# Altium PCB DAC_Sources.PcbDoc (part 2 of 9) (continued)
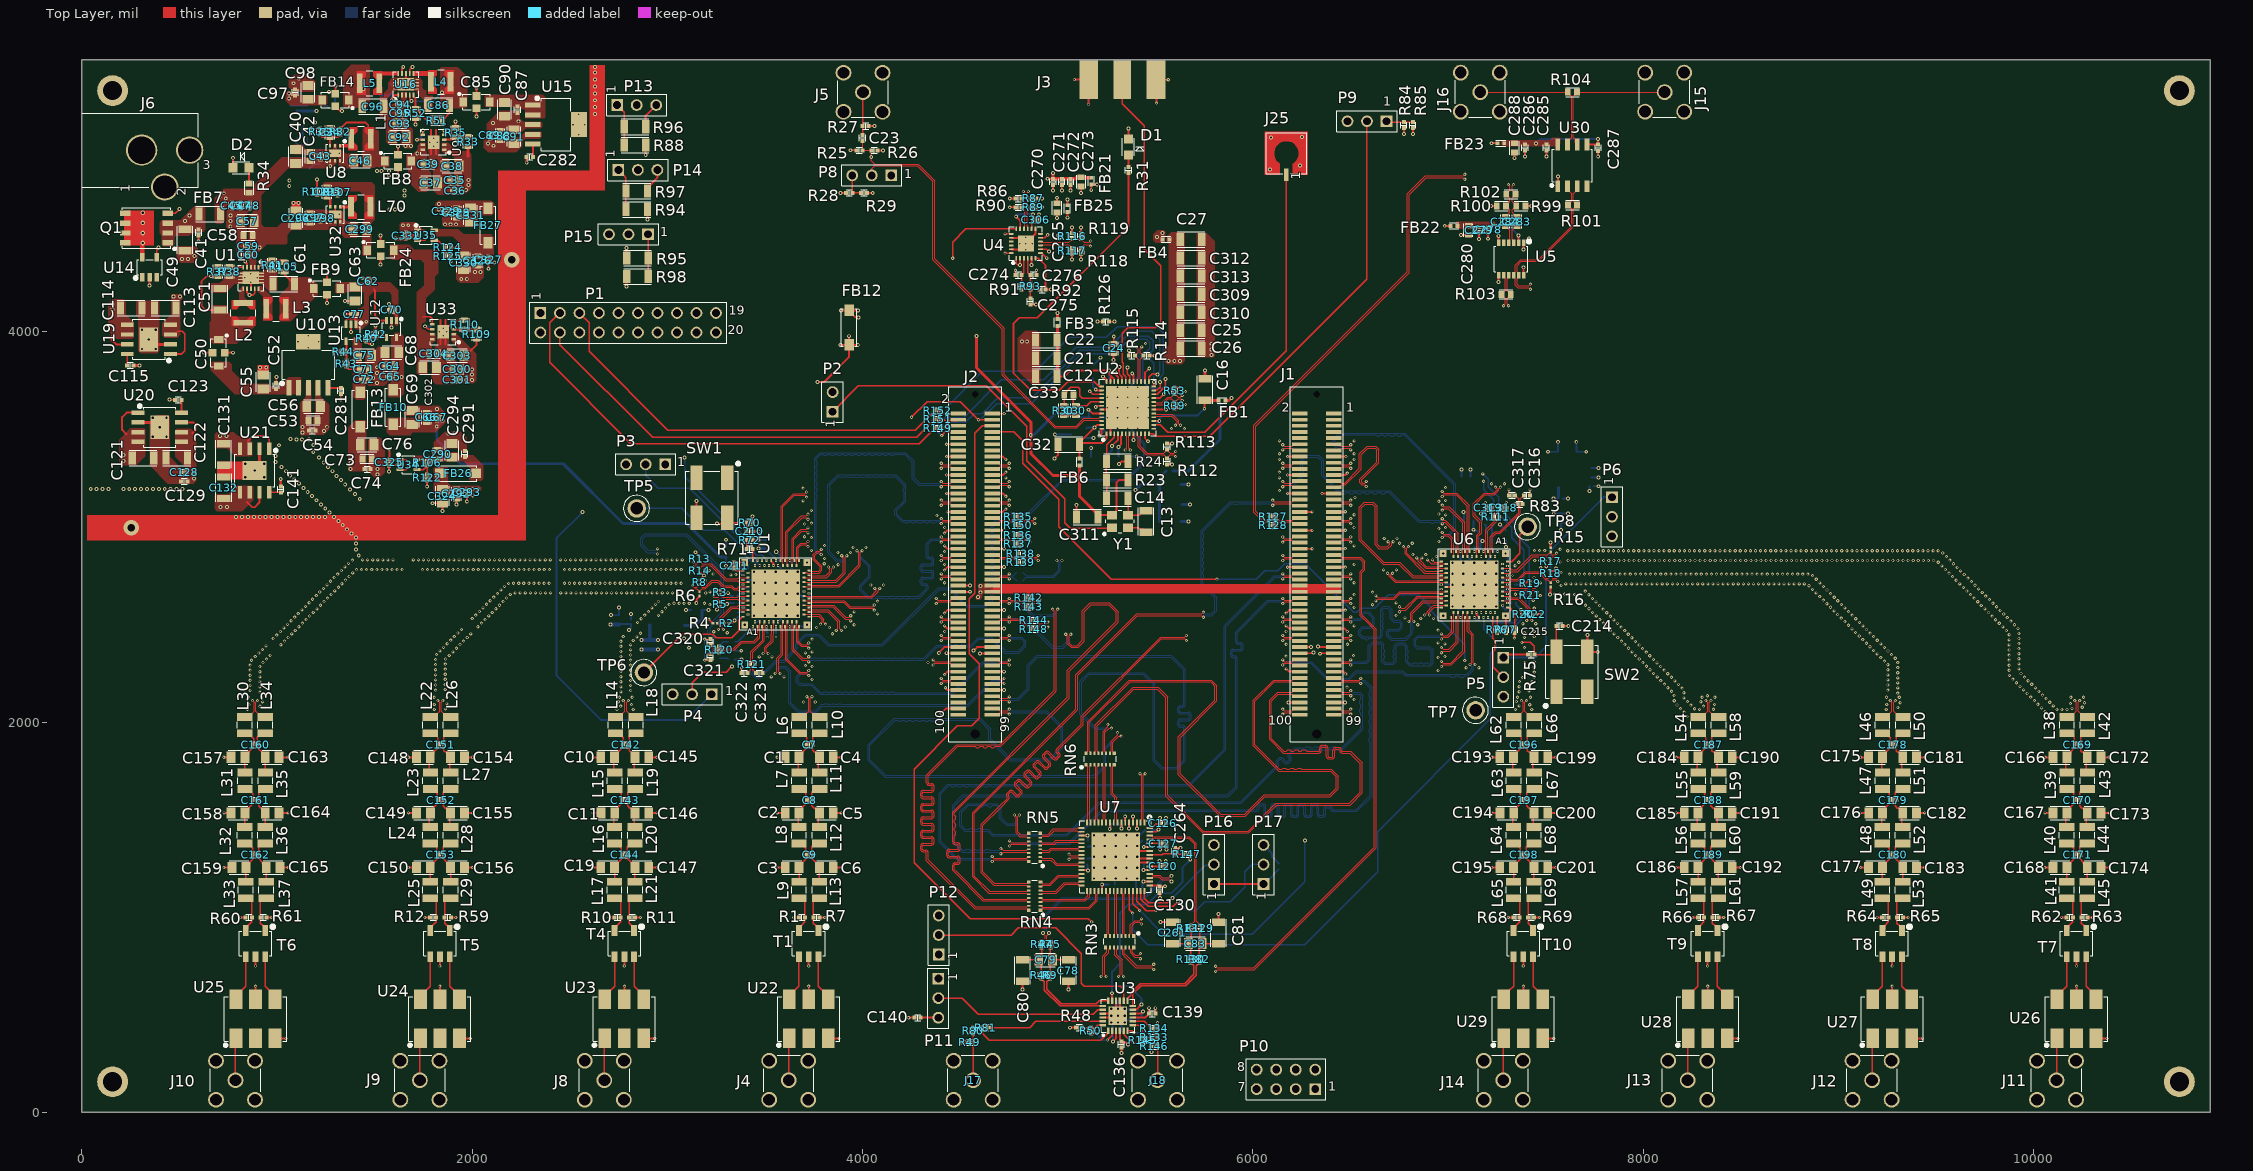
[diagram p0: Top Layer view]
## Footprints (in the part's own frame and the unit in brackets; to place one, negate y for a bottom-side part, rotate by r counter-clockwise, add the part's x,y. Pads: shape width x height; smd on the part's side, far side on the other; paste and mask are expansions set on the pad) (continued)
  rect 0.4x0.25 smd mask+0.051: A12(-4.3,3) A13(-4.3,2.4) A14(-4.3,1.8) A15(-4.3,1.2) A16(-4.3,0.6) A17(-4.3,0) A18(-4.3,-0.6) A19(-4.3,-1.2) A20(-4.3,-1.8) A21(-4.3,-2.4) A22(-4.3,-3) A34(4.3,-3) A35(4.3,-2.4) A36(4.3,-1.8) A37(4.3,-1.2) A38(4.3,-0.6) A39(4.3,0) A40(4.3,0.6) A41(4.3,1.2) A42(4.3,1.8) A43(4.3,2.4) A44(4.3,3) B11(-3.65,2.7) B12(-3.65,2.1) B13(-3.65,1.5) B14(-3.65,0.9) B15(-3.65,0.3) B16(-3.65,-0.3) B17(-3.65,-0.9) B18(-3.65,-1.5) B19(-3.65,-2.1) B20(-3.65,-2.7) B31(3.65,-2.7) B32(3.65,-2.1) B33(3.65,-1.5) B34(3.65,-0.9) B35(3.65,-0.3) B36(3.65,0.3) B37(3.65,0.9) B38(3.65,1.5) B39(3.65,2.1) B40(3.65,2.7)
  rect 0.9x0.9 smd mask+0.051: C1(4.05,4.05) C2(-4.05,4.05) C3(-4.05,-4.05) C4(4.05,-4.05)
  rect 1.7x1.7 on Top Paste mask+0.051: C5(-2,2) C5(-2,0) C5(-2,-2) C5(0,2) C5(0,0) C5(0,-2) C5(2,2) C5(2,0) C5(2,-2)
  rect 6.3x6.3 smd paste-2539.97 mask+0.051: C5(0,0)
  silkscreen extent -4.7,-4.7 4.7,4.7, body extent -4.5,-4.5 4.5,4.5, height 0.9

## Part data
C1 C2 C3 C4 C5 C6 C10 C11 C19 C145 C146 C147 C148 C149 C150 C154 C155 C156 C157 C158 C159 C163 C164 C165 C166 C167 C168 C172 C173 C174 C175 C176 C177 C181 C182 C183 C184 C185 C186 C190 C191 C192 C193 C194 C195 C199 C200 C201: library part b4654b650e69147ec39a6b967a45e02, "CAP CER 11PF 50V 5% NP0 0805", Capacitance="11 pF", Manufacturer=KEMET, Manufacturer Part Number=C0805C110J5GACTU, Package=C0805C-DN, Temperature="-55°C to +125°C", Temperature Characteristic=C0G, Temperature Coefficient=30ppm/°C, Temperature Range High=+125°C, Temperature Range Low=-55°C, Tolerance=0.05, Voltage Rating="50 V", Automotive=No, Category=Cap, ComponentLink2Description=Datasheet, ComponentLink2URL=https://content.kemet.com/datasheets/KEM_C1003_C0G_SMD.pdf, Device Class L1="Passive Components", Device Class L2=Capacitors, Device Class L3="Ceramic Capacitors", Digikey Description="CAP CER 11PF 50V 5% NP0 0805", Height=0.88mm, Ipc Land Pattern Name=CAPC200125X78, Lead Free=Yes, Material=Ceramic, Mouser Description="Multilayer Ceramic Capacitors MLCC - SMD/SMT 50volts 11pF C0G 5%", Octopart=https://octopart.com/c0805c110j5gactu-kemet-15514269, RoHS=TRUE
C7 C8 C9 C142 C143 C144 C151 C152 C153 C160 C161 C162 C169 C170 C171 C178 C179 C180 C187 C188 C189 C196 C197 C198: library part 02cd4be3c70576c341d710602a673aa, "Multi-Layer Ceramic Capacitor 3.3pF C0G  ±0.25pF 0402 Paper T/R", Capacitance=3.3pF, Case Code (Imperial)=0402, Case Code (Metric)=1005, Dielectric=C0G, Max Operating Temperature=125°C, Min Operating Temperature=-55°C, Package Quantity=1, Voltage=50V, Case/Package=0402, Depth=0.5mm, Height=0.5mm, Lead Free="Lead Free", Length=1mm, Mount="Surface Mount", Packaging="Tape and Reel", Radiation Hardening=No, Termination=SMD/SMT, Thickness=0.022inch, Voltage Rating=50V, Voltage Rating (DC)=50V, Width=0.5mm
C12 C14 C16 C18 C21 C22 C25 C26 C27 C29 C32 C309 C310 C311 C312 C313 C314 C315: library part b4654b650e69147ec39a6b967a45e02, "Cap Ceramic 10nF 630V X7R ±10% SMD 1206 +125°C Embossed T/R", Capacitance=10nF, Case Code (Imperial)=1206, Case Code (Metric)=3216, Dielectric=X7R, Max Operating Temperature=125°C, Min Operating Temperature=-55°C, Package Quantity=1, Tolerance=10%, Voltage=630V, Case/Package=1206, Depth=1.6mm, Height=1.25mm, Lead Free="Lead Free", Length=3.2mm, Material=Ceramic, Mount="Surface Mount", Packaging="Tape and Reel", Radiation Hardening=No, Thickness=0.055inch, Voltage Rating=630V, Voltage Rating (DC)=630V, Width=0.063inch
C13 C78 C80 C81 C261: library part b4654b650e69147ec39a6b967a45e02, "1206 C 15pF Ceramic Multilayer Capacitor; 50 VDC; +125degC; C0G Dielec; +/-5%", Capacitance="15 pF", Manufacturer=KEMET, Package=C1206C-EB, Temperature="-55°C to +150°C", Temperature Characteristic=C0G, Temperature Coefficient=15%, Temperature Range High=+150°C, Temperature Range Low=-55°C, Tolerance=0.05, Voltage Rating="50 V", Automotive=Yes, Automotive Grade="Grade 0", Category=Cap, ComponentLink2Description=Datasheet, ComponentLink2URL=https://content.kemet.com/datasheets/KEM_C1007_X8R_ULTRA_150C_SMD.pdf, Device Class L1="Passive Components", Device Class L2=Capacitors, Device Class L3="Ceramic Capacitors", Digikey Description="1206 C 15pF Ceramic Multilayer Capacitor; 50 VDC; +125degC; C0G Dielec; +/-5%", Height=0.88mm, Ipc Land Pattern Name=CAPC320160X78, Lead Free=Yes, Manufacturer Part Number=C1206C150J5GACTU, Material=Ceramic, Mouser Description="Multilayer Ceramic Capacitors MLCC - SMD/SMT 50volts 15pF C0G 5%", Octopart=https://octopart.com/c1206c150j5gactu-kemet-138585, RoHS=TRUE
C15 C17 C20 C24 C28 C30 C31: library part b4654b650e69147ec39a6b967a45e02, "Cap Ceramic 4.7uF 10V X5R ±10% Pad SMD 0603 +85°C T/R", Capacitance=4.7uF, Case Code (Imperial)=0603, Case Code (Metric)=1608, Dielectric=X5R, Max Operating Temperature=85°C, Min Operating Temperature=-55°C, Package Quantity=1, Tolerance=10%, Voltage Rating=10V, Case/Package=0603, Contact Plating=Tin, Depth=0.8mm, Height=0.8mm, Length=1.6mm, Mount="Surface Mount", Packaging="Tape and Reel", Radiation Hardening=No, Thickness=0.035inch, Width=0.031inch
C23 C210 C213 C214 C217: library part b4654b650e69147ec39a6b967a45e02, "Multilayer Ceramic Capacitors 1nF ±10% 25V X7R SMD 0402", Capacitance=1nF, Case Code (Imperial)=0402, Case Code (Metric)=1005, Dielectric=X7R, Dielectric Material=Ceramic, Insulation Resistance=10GR, Max Operating Temperature=125°C, Min Operating Temperature=-55°C, Package Quantity=1, Tolerance=10%, Voltage Rating=25V, Case/Package=0402, Depth=0.5mm, Dissipation Factor=3%, Height=0.5mm, Lead Free="Lead Free", Length=0.039inch, Mount="Surface Mount", Number of Pins=2, Packaging="Tape and Reel", REACH SVHC="No SVHC", Resistor Type=Ceramic, RoHS Compliant=Yes, Series=C, Termination=SMD/SMT, Thickness=0.022inch, Voltage Rating (DC)=25V, Weight=2.3E-05oz, Width=0.02inch
C33: library part 02cd4be3c70576c341d710602a673aa, "Ceramic Capacitor for Automotive 270nF  ±10% 16VDC X7R 0603 Paper T/R", Capacitance=270nF, Case/Package=0603, Dielectric=X7R, Tolerance=10%, Voltage Rating (DC)=16V
C34 C295: library part b4654b650e69147ec39a6b967a45e02, "Cap Ceramic 22pF 50V C0G 5% SMD 0603 125°C Paper T/R", Capacitance="22 pF", Manufacturer=KEMET, Package=C0603C-CF, Temperature="-55°C to +125°C", Temperature Characteristic=C0G, Temperature Coefficient=30ppm/°C, Temperature Range High=+125°C, Temperature Range Low=-55°C, Tolerance=0.05, Voltage Rating="50 V", Automotive=Yes, Automotive Grade="Grade 1", Category=Cap, ComponentLink2Description=Datasheet, ComponentLink2URL=https://api.kemet.com/component-edge/download/datasheet/C0603C100J5GACAUTO.pdf, Device Class L1="Passive Components", Device Class L2=Capacitors, Device Class L3="Ceramic Capacitors", Digikey Description="Cap Ceramic 22pF 50V C0G 5% SMD 0603 125°C Paper T/R", Height=0.87mm, Lead Free=Yes, Manufacturer Part Number=C0603C220J5GACTU, Material=Ceramic, Mouser Description="Cap Ceramic 22pF 50V C0G 5% SMD 0603 125°C Paper T/R", Octopart=https://octopart.com/c0603c220j5gactu-kemet-98525, RoHS=TRUE
C35 C39 C42 C53 C58 C64 C66 C71 C73 C88 C93 C99 C101 C106 C108 C290 C292 C297 C300 C304 C326 C328: library part 236180d848d6139a670b325ea6854c9, "Multilayer Ceramic Capacitors 1μF ±10% 16V X7R SMD 0603", Capacitance=1uF, Case Code (Imperial)=0603, Case Code (Metric)=1608, Dielectric=X7R, Dielectric Material=Ceramic, Max Operating Temperature=125°C, Min Operating Temperature=-55°C, Package Quantity=1, Tolerance=10%, Voltage=16V, Case/Package=0603, Construction=Flat, Depth=0.8mm, Height=0.8mm, Lead Free="Lead Free", Length=1.6mm, Mount="Surface Mount", Packaging="Tape and Reel", Radiation Hardening=No, REACH SVHC="No SVHC", Resistor Type=Ceramic, RoHS Compliant=Yes, Series=C, Termination=SMD/SMT, Thickness=0.037inch, Voltage Rating=16V, Voltage Rating (DC)=16V, Weight=7.1E-05oz, Width=0.031inch
C36 C48 C54 C59 C62 C65 C67 C72 C74 C89 C94 C97 C100 C102 C107 C109 C115 C123 C141 C270 C271 C272 C274 C275 C276 C277 C278 C279 C281 C282 C285 C286 C287 C291 C293 C301 C306 C316 C317 C318 C319 C320 C321 C322 C323 C327 C329: library part b4654b650e69147ec39a6b967a45e02, "Multilayer Ceramic Capacitors 10nF ±10% 25V X7R SMD 0402", Capacitance=10nF, Case Code (Imperial)=0402, Case Code (Metric)=1005, Dielectric=X7R, Dielectric Material=Ceramic, Max Operating Temperature=125°C, Min Operating Temperature=-55°C, Package Quantity=1, Tolerance=10%, Voltage=25V, Case/Package=0402, Depth=0.5mm, Height=0.5mm, Lead Free="Lead Free", Length=1mm, Mount="Surface Mount", Number of Pins=2, Packaging="Tape and Reel", Radiation Hardening=No, REACH SVHC="No SVHC", Resistor Type=Ceramic, RoHS Compliant=Yes, Series=C, Termination=SMD/SMT, Thickness=0.022inch, Voltage Rating=25V, Voltage Rating (DC)=25V, Weight=2.3E-05oz, Width=0.02inch
C37 C38 C40 C46 C55 C56 C57 C63 C68 C69 C75 C76 C90 C91 C92 C98 C103 C104 C110 C111 C294 C296 C299 C302 C303 C324 C330 C331: library part CAP, Manufacturer=Murata, Part Number=GRM21BR71A106KE51L
C41 C43 C44 C47 C60 C95 C116 C117 C118 C119 C120 C124 C125 C126 C127 C128 C129 C130 C133 C134 C135 C136 C137 C138 C139 C140 C211 C212 C215 C216 C260 C263 C264 C298 C305: library part b4654b650e69147ec39a6b967a45e02, "Multilayer Ceramic Capacitors 100nF ±10% 16V X7R SMD 0402", Capacitance=100nF, Case Code (Imperial)=0402, Case Code (Metric)=1005, Dielectric=X7R, Dielectric Material=Ceramic, Max Operating Temperature=125°C, Min Operating Temperature=-55°C, Package Quantity=1, Tolerance=10%, Voltage=16V, Case/Package=0402, Construction=Flat, Depth=0.5mm, Height=0.5mm, Lead Free="Lead Free", Length=1mm, Mount="Surface Mount", Number of Pins=2, Packaging="Tape and Reel", Radiation Hardening=No, Resistor Type=Ceramic, RoHS Compliant=Yes, Series=C, Termination=SMD/SMT, Thickness=0.022inch, Voltage Rating=16V, Voltage Rating (DC)=16V, Weight=2.3E-05oz, Width=0.02inch
C45: library part CAP-NP-2, "Chip Capacitor, 1 uF, +/- 10%, 16 V, -55 to 85 degC, 0402 (1005 Metric), RoHS, Tape and Reel", Capacitance=1µF, Manufacturer=TDK, Operating Temperature=-55degC~85degC, Package / Case=0402(1005Metric), Package Description="2-Pin Surface Mount Device, Body 1 x 0.5 mm", Package Reference=402, PCN Part Number=MLCCPartNumberChange30/Nov/2012, Ratings=-, Standard Package=1, Temperature Coefficient=X5R, Tolerance=±10%, Voltage - Rated=16V, Applications=GeneralPurpose, Category=Capacitors, Datasheet URL=https://datasheet.ciiva.com/14482/1756136-14482760.pdf, Datasheet Version=Oct-13, Family=CeramicCapacitors, Features=-, Height - Seated (Max)=-, Lead Spacing=-, Lead Style=-, Manufacturer URL=http://www.tdk.com/, Mounting Type=SurfaceMount,MLCC, Online Catalog=CSeries,GeneralPurpose, Other Names=445-4978-6, Packaging=Digi-Reel, Product Training Modules=CSeriesGeneralApplicationsSEAT,CCV,andTVCLDesignToolsGuidetoReplacinganElectrolyticCapacitorwithanMLCC, RoHS Information=RoHSCertificate-MLCC, Series=C, Size / Dimension="0.039\"Lx0.020\"W(1.00mmx0.50mm)", Thickness (Max)="0.022\"(0.55mm)"
C49: library part 02cd4be3c70576c341d710602a673aa, "Chip Multilayer Ceramic Capacitors for General Purpose, 1206, 47uF, X5R, 15%, 20%, 10V", Capacitance=47uF, Case Code (Imperial)=1206, Case Code (Metric)=3216, Dielectric=X5R, Max Operating Temperature=85°C, Min Operating Temperature=-55°C, Package Quantity=2000, Tolerance=20%, Voltage=10V, Case/Package=1206, Depth=1.6mm, Height=1.6mm, Lead Free="Lead Free", Length=3.2mm, Mount="Surface Mount", Number of Pins=2, Packaging="Tape and Reel", Radiation Hardening=No, REACH SVHC="No SVHC", Termination=SMD/SMT, Thickness=0.071inch, Voltage Rating=10V, Voltage Rating (DC)=10V, Width=1.6mm
C50 C85 FB8 FB9 FB14 FB24: library part 968ca41a07abfef6fd4f7114a56c54f, "Large Current 3 Terminals Low ESL Chip Multilayer Ceramic Capacitors for General Purpose, 1206, 27uF, 20%, 6.3V", Capacitance=27uF, Case Code (Imperial)=1206, Case Code (Metric)=3216, Current=6A, DC Resistance (DCR)=5mR, Insulation Resistance=20MR, Max Operating Temperature=85°C, Max Voltage Rating (DC)=6.3V, Min Operating Temperature=-40°C, Package Quantity=1, Tolerance=20%, Case/Package=1206, Current Rating=6A, Depth=1.6mm, Height=1.3mm, Lead Free="Lead Free", Length=3.2mm, Max Current Rating=6A, Mount="Surface Mount", Packaging="Tape and Reel", Radiation Hardening=No, REACH SVHC="No SVHC", Termination=Flat, Voltage=6.3V, Voltage Rating (DC)=6.3V, Width=1.6mm
C51 C61 C86 C96: library part b4654b650e69147ec39a6b967a45e02, "Cap Ceramic 22uF 16V X5R ±20% SMD 1206 +85°C Embossed T/R", Capacitance=22uF, Case Code (Imperial)=1206, Case Code (Metric)=3216, Dielectric=X5R, Max Operating Temperature=85°C, Min Operating Temperature=-55°C, Package Quantity=1, Tolerance=20%, Voltage=16V, Case/Package=1206, Depth=1.6mm, Height=0.85mm, Lead Free="Lead Free", Length=3.2mm, Mount="Surface Mount", Packaging="Tape and Reel", Radiation Hardening=No, Thickness=0.037inch, Voltage Rating=16V, Width=0.063inch
C52 C70 C77 C87 C105 C112 C325 C332: library part b4654b650e69147ec39a6b967a45e02, "None", Capacitance=2.2uF, Case Code (Imperial)=0402, Case Code (Metric)=1005, Max Operating Temperature=85°C, Min Operating Temperature=-55°C, Tolerance=10%, Voltage Rating=10V, Case/Package=0402, Lead Free="Lead Free", Mount="Surface Mount", Packaging="Cut Tape", RoHS Compliant=Yes
C79 C83: library part 11868f565c42a9108669ba33697ecf6, "CAP CER 5PF 100V NP0 0805", Capacitance="5.0 pF", Manufacturer=KEMET, Package=CBR08C, Temperature="-55°C to +125°C", Temperature Characteristic=C0G, Temperature Coefficient=30ppm/°C, Temperature Range High=+125°C, Temperature Range Low=-55°C, Tolerance="0.05 pF", Voltage Rating="100 V", Automotive=No, Category=Cap, ComponentLink2Description=Datasheet, ComponentLink2URL=https://content.kemet.com/datasheets/KEM_C1030_CBR_SMD.pdf, Device Class L1="Passive Components", Device Class L2=Capacitors, Device Class L3="Ceramic Capacitors", Digikey Description="CAP CER 5PF 100V NP0 0805", Height=0.95mm, Ipc Land Pattern Name=CAPC200125X85, Lead Free=Yes, Manufacturer Part Number=CBR08C509A1GAC, Material=Ceramic, Mouser Description="Multilayer Ceramic Capacitors MLCC - SMD/SMT 5pF 100volts", Octopart=https://octopart.com/cbr08c509a1gac-kemet-23801983, RoHS=TRUE
C113 C114 C121 C122 C131 C132: library part b4654b650e69147ec39a6b967a45e02, "Cap Ceramic 4.7uF 10V X7R ±10% SMD 1206 +125°C Embossed T/R", Capacitance=4.7uF, Case Code (Imperial)=1206, Case Code (Metric)=3216, Dielectric=X7R, Max Operating Temperature=125°C, Min Operating Temperature=-55°C, Package Quantity=1, Tolerance=10%, Voltage=10V, Case/Package=1206, Contact Plating=Tin, Depth=1.6mm, Height=1.6mm, Lead Free="Lead Free", Length=3.2mm, Material=Ceramic, Mount="Surface Mount", Packaging="Tape and Reel", Radiation Hardening=No, Thickness=0.071inch, Voltage Rating=10V, Voltage Rating (DC)=10V, Width=0.063inch
C202 C203 C204 C206 C207 C208 C219 C220 C221 C222 C223 C224 C225 C227 C228 C229 C230 C232 C233 C234 C236 C237 C240 C241 C242 C243 C244 C245 C246 C248 C249 C250 C251 C253 C254 C255 C257 C258: library part b4654b650e69147ec39a6b967a45e02, "None", Capacitance=220nF, Case Code (Imperial)=0201, Case Code (Metric)=0603, Dielectric=X5R, Max Operating Temperature=85°C, Min Operating Temperature=-55°C, Package Quantity=15000, Resistor Type=Ceramic, Tolerance=20%, Voltage=10V, Case/Package=0201, Construction=Flat, Depth=0.3mm, Halogen Free="Halogen Free", Height=0.3mm, Length=0.6mm, Mount="Surface Mount", Packaging="Tape and Reel", Radiation Hardening=No, RoHS Compliant=Yes, Series=M, Termination=SMD/SMT, Thickness=0.013inch, Voltage Rating=10V, Voltage Rating (DC)=10V, Width=0.012inch
C205 C209 C226 C231 C235 C238 C247 C252 C256 C259: library part b4654b650e69147ec39a6b967a45e02, "CAP CER 10UF 10V X5R 0603", Capacitance=10uF, Case Code (Imperial)=0603, Case Code (Metric)=1608, Dielectric=X5R, Max Operating Temperature=85°C, Min Operating Temperature=-55°C, Package Quantity=4000, Resistor Type=Ceramic, Tolerance=20%, Voltage Rating=10V, Case/Package=0603, Construction=Flat, Height=0.8mm, Lead Free="Lead Free", Length=1.6mm, Mount="Surface Mount", Number of Pins=2, Packaging="Tape and Reel", REACH SVHC="No SVHC", RoHS Compliant=Yes, Series=M, Termination=SMD/SMT, Thickness=0.035inch, Voltage Rating (DC)=10V, Width=0.031inch
C218 C239: library part b4654b650e69147ec39a6b967a45e02, "None", Capacitance=100nF, Case Code (Imperial)=0201, Case Code (Metric)=0603, Dielectric=X5R, Max Operating Temperature=85°C, Min Operating Temperature=-55°C, Package Quantity=15000, Resistor Type=Ceramic, Tolerance=10%, Voltage Rating=10V, Case/Package=0201, Construction=Flat, Contact Plating=Tin, Depth=0.3mm, Halogen Free="Halogen Free", Height=0.3mm, Lead Free="Lead Free", Length=0.6mm, Mount="Surface Mount", Number of Pins=2, Packaging="Tape and Reel", Radiation Hardening=No, RoHS Compliant=Yes, Series=M, Termination=SMD/SMT, Thickness=0.013inch, Voltage Rating (DC)=10V, Width=0.3mm
C265 C273 C280 C288: library part b4654b650e69147ec39a6b967a45e02, "CAP CER 4.7UF 10V X5R 0603", Capacitance=4.7uF, Case Code (Imperial)=0603, Case Code (Metric)=1608, Dielectric=X5R, Max Operating Temperature=85°C, Min Operating Temperature=-55°C, Package Quantity=1, Tolerance=10%, Voltage Rating=10V, Case/Package=0603, Depth=0.8mm, Height=0.55mm, Lead Free="Lead Free", Length=1.6mm, Mount="Surface Mount", Packaging="Tape and Reel", RoHS Compliant=Yes, Series=CGB, Termination=SMD/SMT, Thickness=0.022inch, Voltage Rating (DC)=10V, Weight=7.1E-05oz, Width=0.031inch
C267 C268: library part CAP-NP-2, "CAP, Ceramic, 10 uF, 10%, 10 V, 0805, RoHS, Tape and Reel", Capacitance=10µF, Manufacturer=Murata, Operating Temperature=-55degC~85degC, Package / Case=0805(2012Metric), Package Description="2-Pin Surface Mount Device (0805), Body 2.1 x 1.35 mm", Package Reference=805, Ratings=-, Standard Package=1, Temperature Coefficient=X5R, Tolerance=±10%, Voltage - Rated=10V, Applications=GeneralPurpose, Catalog Drawings=GRMSeries_0805_1.25, Category=Capacitors, Datasheet URL=https://datasheet.ciiva.com/3777/210grm21br61a106ke1923-3777175.pdf, Datasheet Version=Aug-14, Family=CeramicCapacitors, Featured Product=GA3SafetyRecognizedCapsandHi-CapMLCC, Features=-, Height - Seated (Max)=-, Lead Spacing=-, Lead Style=-, Manufacturer URL=http://www.murata.com/, Mounting Type=SurfaceMount,MLCC, Online Catalog=GRMSeries, Other Names=490-1709-6, Packaging=Digi-Reel, Product Training Modules=High-CapMultilayerCeramicCapacitors, Series=GRM, Size / Dimension="0.079\"Lx0.049\"W(2.00mmx1.25mm)", Thickness (Max)="0.053\"(1.35mm)"
C269: library part 02cd4be3c70576c341d710602a673aa, "CAP CER 1UF 10V X5R 0402", Capacitance=1uF, Manufacturer=Murata, Package=GRM15-0.1, Temperature="-55°C to +85°C", Temperature Characteristic=X5R, Temperature Coefficient=15%, Temperature Range High=+85°C, Temperature Range Low=-55°C, Tolerance=10%, Voltage Rating=10V, Automotive=No, Category=Cap, ComponentLink2Description=Datasheet, ComponentLink2URL=https://search.murata.co.jp/Ceramy/image/img/A01X/G101/ENG/GRM155R61A105KE15-01A.pdf, Device Class L1="Passive Components", Device Class L2=Capacitors, Device Class L3="Ceramic Capacitors", Digikey Description="CAP CER 1UF 10V X5R 0402", Height=0.55mm, Ipc Land Pattern Name=CAPC10050X50, Lead Free=Yes, Manufacturer Part Number=GRM155R61A105KE15D, Material=Ceramic, Mouser Description="0402 1 uF 10 V ±10% Tolerance X5R Surface Mount Multilayer Ceramic Capacitor", Octopart=https://octopart.com/grm155r61a105ke15d-murata-197442, RoHS=TRUE
C283 C284: library part 11868f565c42a9108669ba33697ecf6, "CAP CER 10000PF 50V X7R 0603", Capacitance="10 nF", Manufacturer=YAGEO, Package=CC0603-DA, Temperature="-55°C to +125°C", Temperature Characteristic=X7R, Temperature Coefficient=15%, Temperature Range High=+125°C, Temperature Range Low=-55°C, Tolerance=0.1, Voltage="50 V", Automotive=No, Category=Cap, ComponentLink2Description=Datasheet, ComponentLink2URL=http://www.yageo.com/documents/recent/UPY-GPHC_X7R_6.3V-to-50V_18.pdf, Device Class L1="Passive Components", Device Class L2=Capacitors, Device Class L3="Ceramic Capacitors", Digikey Description="CAP CER 10000PF 50V X7R 0603", Footprint Url=http://www.yageo.com/exep/pages/download/literatures/UPY-C_GEN_24.pdf, Height=0.9mm, Lead Free=Yes, Manufacturer Part Number=CC0603KRX7R9BB103, Material=Ceramic, Mouser Description="Multilayer Ceramic Capacitor, CC Series, 0.01 - F, - 10%, X7R, 50 V, 0603 [1608 Metric]", Octopart=https://octopart.com/cc0603krx7r9bb103-yageo-192938, RoHS=TRUE, Voltage Rating="50 V"
D1: library part 8706943c75ba83719d021d2fdc84c58, "LED GREEN CLEAR SMD", Case Code (Imperial)=0805, Case Code (Metric)=2012, Color=Green, Forward Current=30mA, Forward Voltage=2.1V, Lens Color=Colorless, Max Operating Temperature=85°C, Min Operating Temperature=-55°C, Package Quantity=1, Power Dissipation=100mW, Reverse Voltage=5V, Test Current=10mA, Case/Package=0805, Depth=1.25mm, Dominant Wavelength=569nm, Height=1.1mm, Illumination Color=Green, Lead Free="Lead Free", Length=2mm, Lens Style=Diffused, Lens Transparency=Clear, Luminous Intensity=6mcd, Mount="Surface Mount", Number of Elements=1, Number of LEDs=1, Number of Pins=2, Packaging="Tape and Reel", Power Rating=100mW, Radiation Hardening=No, Viewing Angle=130°, Voltage=5V, Wavelength=565nm, Width=1.25mm
D2: library part 8706943c75ba83719d021d2fdc84c58, "LED BLUE CLEAR SMD", Case Code (Imperial)=0805, Case Code (Metric)=2012, Color=Blue, Forward Current=20mA, Forward Voltage=3.8V, Lens Color=Colorless, Max Operating Temperature=80°C, Min Operating Temperature=-20°C, Package Quantity=1, Power Dissipation=76mW, Reverse Voltage=5V, Case/Package=0805, Depth=1.25mm, Dominant Wavelength=475nm, Height=1.1mm, Illumination Color=Blue, Lead Free="Lead Free", Length=2mm, Lens Style=Diffused, Lens Transparency=Clear, Luminous Intensity=180mcd, Mount="Surface Mount", Number of Elements=1, Number of LEDs=1, Number of Pins=2, Packaging="Tape and Reel", Power Rating=76mW, Radiation Hardening=No, Test Current=20mA, Viewing Angle=130°, Wavelength=468nm, Width=1.25mm
FB1 FB2 FB3 FB4 FB5 FB6 FB21 FB22 FB23 FB25: library part 5f30dd21d616792df468990f7003faa, "Chip Ferrite Bead, 0402, 120Ω @ 100MHz, 0.09Ω, 25%, 1.3A", Case Code (Imperial)=0402, Case Code (Metric)=1005, Current Rating=1.3A, DC Resistance (DCR)=90mR, Max Operating Temperature=125°C, Min Operating Temperature=-55°C, Package Quantity=1, Test Frequency=100MHz, Tolerance=25%, Case/Package=0402, Core Material=Ferrite, DC Current=1.3A, Depth=0.55mm, Height=0.5mm, Impedance=120R, Lead Free="Lead Free", Length=1mm, Material=Steel, Max Current Rating=1.3A, Max DC Current=1.3A, Military Standard=Not, Number of Circuits=1, Number of Lines=1, Number of Pins=2, Packaging="Tape and Reel", Radiation Hardening=No, REACH SVHC="No SVHC", Termination=SMD/SMT, Width=0.5mm
FB7: "Ind Chip Bead 60Ohm 25% Ferrite 4A 1206 T/R", Package=None, Availability=Unavailable, MP=FBMJ3216HM600-T, Price=None
FB10 FB12 FB13 FB15 FB16 FB17 FB19 FB26 FB27: library part 5f30dd21d616792df468990f7003faa, "Ferrite Bead, 1806, 1000Ω @ 100MHz, 25%, 0.09Ω, 1.5A", Case Code (Imperial)=1806, Case Code (Metric)=4516, Current Rating=1.5A, DC Resistance (DCR)=90mR, Frequency=100MHz, Manufacturer Series=BLM41P, Max Operating Temperature=125°C, Min Operating Temperature=-55°C, Package Quantity=1, Tolerance=25%, Case/Package=1806, Core Material=Ferrite, DC Current=1.5A, DC Resistance-Max=90mR, Depth=1.6mm, Height=1.6mm, Impedance=1kR, Lead Free="Lead Free", Length=4.5mm, Material=Steel, Max Current Rating=1.5A, Max DC Current=1.5A, Military Standard=Not, Number of Circuits=1, Number of Functions=1, Number of Lines=1, Number of Pins=2, Packaging="Tape and Reel", Radiation Hardening=No, REACH SVHC="No SVHC", Series=BLM41P, Shielding=Unshielded, Terminal Finish=Tin, Termination=SMD/SMT, Test Frequency=100MHz, Width=1.6mm